# KiCad board MasterController.kicad_pcb (continued)
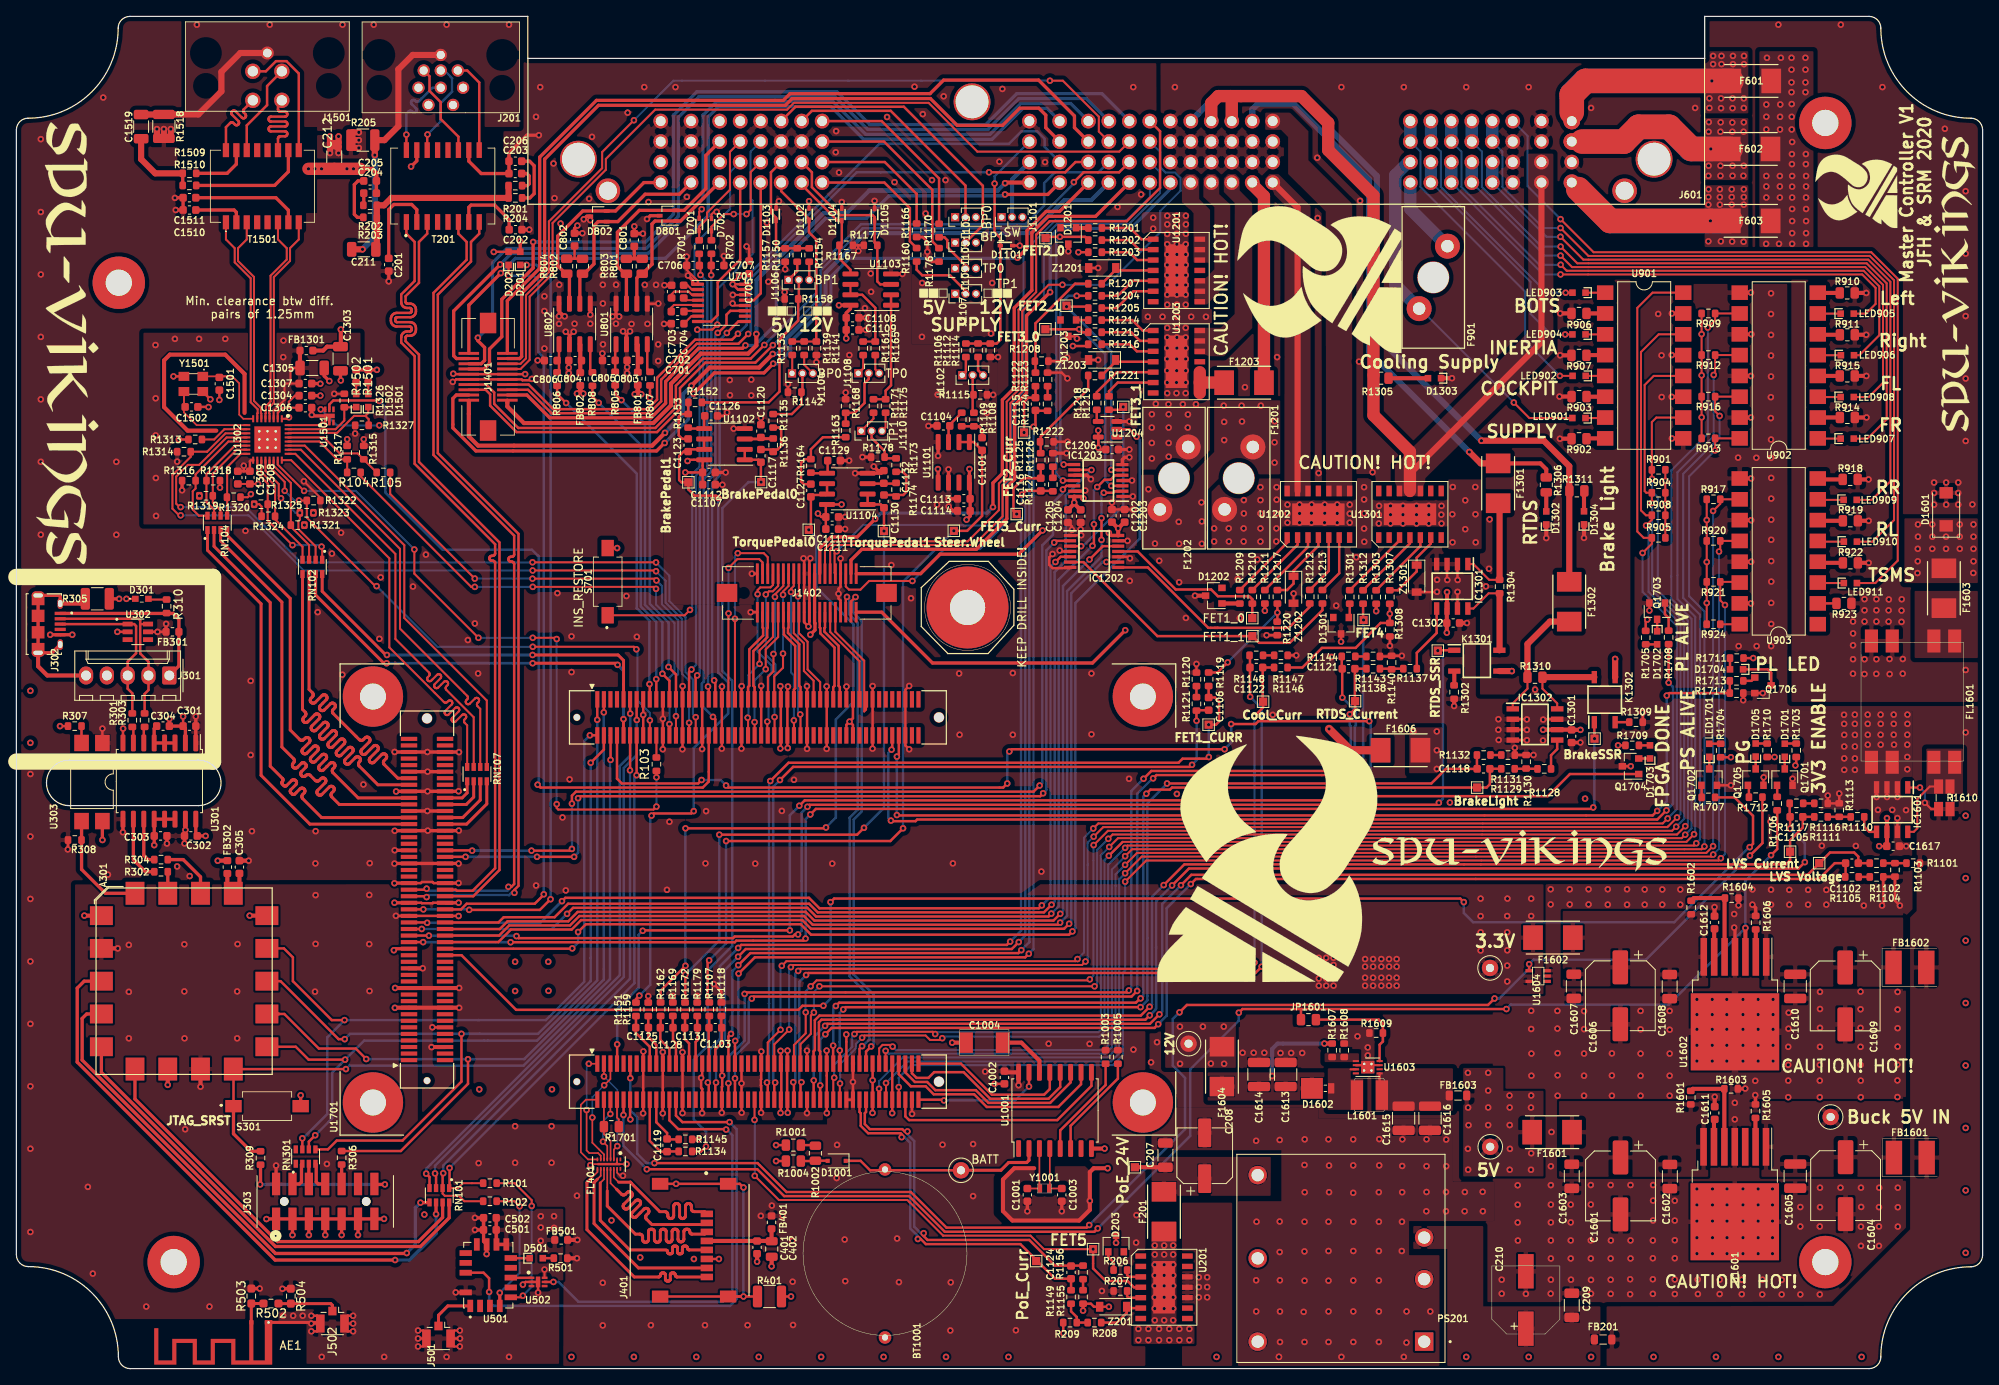
[diagram p0: board, top side]
## Routing (per net, layer and track width the routed paths; a pad name or vN(x,y) marks a point on that pad's centre or on a via; arc(x,y) is an arc through that point) (continued)
/PicoZed/ETH1_TX_EN: length 2.7
  Top w0.25: U1701.JX1.20 78.12,77.25 R103.2
/PicoZed/ETH1_TXD0: length 4.4
  Top w0.36: RN107.1 55.02,70.25 54.41,69.64 U1701.JX3.82
/PicoZed/ETH1_TXD1: length 5.8
  Top w0.36: U1701.JX3.80 54.92,68.84 55.82,69.74 RN107.2
/PicoZed/ETH1_TXD2: length 7.5
  Top w0.36: U1701.JX3.76 54.48,67.24 56.62,69.38 RN107.3
/PicoZed/ETH1_TXD3: length 8.9
  Top w0.36: RN107.4 57.42,68.91 54.95,66.44 U1701.JX3.74
/PicoZed/FPGA_DONE: length 147.6
  Top w0.3: v1(148.28,78.65) 151.26,78.65 151.61,79 v1(165.13,79) ; v1(120.95,71.4) 120.45,70.9 86.88,70.9 v1(86.63,71.15) ; U1701.JX1.8 73.31,71.99 73.9,71.4 83.21,71.4 v1(83.64,71.82) ; v1(165.31,70.15) 165.61,69.85 186.93,69.85 189.62,72.55 Q1704.1 ; v1(121.2,75.3) 121.47,75.58 v1(147.47,75.58)
  Bottom w0.3: v1(121.2,75.3) 120.95,75.05 v1(120.95,71.4) ; v1(165.31,70.15) 165.31,78.82 v1(165.13,79) ; v1(147.47,75.58) 148.28,76.38 v1(148.28,78.65) ; v1(86.63,71.15) 85.95,71.82 v1(83.64,71.82)
/PicoZed/INS_PPS: length 59.9
  Top w0.25: v1(84.81,133.43) C707.1 84.81,136 R702.1
  Top w0.3: U1701.JX1.38 85.31,79.24 v1(85.03,79.53)
  Bottom w0.3: v1(84.81,133.43) 84.81,109.44 83.92,108.55 83.92,83.83 83.67,83.59 83.67,80.88 v1(85.03,79.53)
/PicoZed/INS_SYNC_O: length 55.3
  Top w0.25: R701.1 83.36,136 83.36,134.6 83.5,134.47 v1(83.5,133.45)
  Top w0.3: v1(83.1,84.58) 82.91,84.39 U1701.JX1.31
  Bottom w0.3: v1(83.1,84.58) 83.42,84.9 83.42,108.76 84.31,109.65 84.31,132.64 v1(83.5,133.45)
/PicoZed/INV12_FET_In: length 138.1
  Top w0.3: U1701.JX3.41 49.47,53.64 v1(49.47,53.65) ; v1(131.53,103.03) 131.53,100.58 v1(131.35,100.4) ; IC1203.5 134.12,109.02 133.57,108.47 132.82,108.47 v1(131.93,107.58) ; v1(67.21,55.49) 67.95,56.23 96.55,56.23 97.61,55.17 125.98,55.17 v1(126.32,55.51)
  Bottom w0.3: v1(49.47,53.65) 65.38,53.65 v1(67.21,55.49) ; v1(131.53,103.03) 131.53,107.18 v1(131.93,107.58) ; v1(131.35,100.4) 127.23,96.28 127.23,56.42 v1(126.32,55.51)
/PicoZed/INV34_FET_In: length 133.6
  Top w0.3: v1(132.45,103.78) v1(132.45,101.12) ; IC1203.2 134.11,107.06 133.92,106.88 v1(132.72,106.88) ; v1(127.4,54.42) 127.15,54.17 97.19,54.17 96.14,55.23 68.72,55.23 67.57,54.08 60.15,54.08 58.91,52.84 U1701.JX3.40
  Bottom w0.3: v1(127.4,54.42) 128.25,55.27 128.25,94.88 132.45,99.08 v1(132.45,101.12) ; v1(132.72,106.88) 132.45,106.6 v1(132.45,103.78)
/PicoZed/NVSRAM_HSB: length 28.3
  Top w0.3: U1001.9 131.22,34.5 127.05,30.32 108.96,30.32 108.51,30.78 U1701.JX2.96
/PicoZed/NVSRAM_INT: length 16
  Top w0.3: v1(123.6,34.43) U1001.15 ; U1701.JX2.100 113.13,32.81 v1(113.22,32.72)
  Bottom w0.3: v1(113.22,32.72) 121.9,32.72 v1(123.6,34.43)
/PicoZed/PL_ALIVE: length 126.8
  Top w0.3: U1701.JX1.92 106.91,75.61 v1(106.82,75.53) ; v1(106.74,66.87) 106.81,66.8 109.75,66.8 109.95,67 200.29,67 v1(201.41,68.12) ; R1708.2 v1(201.68,83.7)
  Bottom w0.3: v1(201.68,83.7) 202.2,83.18 202.2,68.91 v1(201.41,68.12) ; v1(106.82,75.53) 106.43,75.13 106.43,67.19 v1(106.74,66.87)
/PicoZed/PL_LED: length 126.7
  Top w0.3: R1713.2 R1714.2 201.75,82.42 v1(201.45,82.12) ; v1(200.28,68.05) 199.73,67.5 107.52,67.5 v1(107.47,67.55) ; v1(107.47,74.68) 107.71,74.91 U1701.JX1.94
  Bottom w0.3: v1(201.45,82.12) 201.45,69.22 v1(200.28,68.05) ; v1(107.47,67.55) v1(107.47,74.68)
/PicoZed/PoE_FET_In: length 63.4
  Top w0.25: v1(90.12,23.52) 93.07,20.57 108.75,20.57 109.03,20.3 109.05,20.3 113.12,16.22 123.78,16.22 125.43,14.57 v1(131.43,14.57) ; U1701.JX2.50 90.1,32.81 v1(90.1,30.35)
  Top w0.3: v1(131.43,14.57) 131.43,12.22 132.96,10.69 135.63,10.69 136.4,9.93 U201.4
  Bottom w0.25: v1(90.1,30.35) 90.12,30.33 v1(90.12,23.52)
/PicoZed/PS_ALIVE: length 189.8
  Top w0.3: v1(98.5,44.28) 95.95,44.28 95.46,43.78 60.99,43.78 54.33,50.44 U1701.JX3.34 ; v1(99.38,56.92) 99.81,57.35 176.25,57.35 v1(176.68,56.93) ; R1707.2 209.72,69.7 211.97,67.45 211.97,64.04 v1(211.57,63.63)
  Bottom w0.3: v1(176.68,56.93) 176.68,55.6 177.81,54.46 202.35,54.46 211.52,63.63 v1(211.57,63.63) ; v1(99.38,56.92) 99.38,45.15 v1(98.5,44.28)
/PicoZed/RTDS_SSR_In: length 162.2
  Top w0.3: v1(96.56,68.56) 96.8,68.8 173.38,68.8 v1(173.63,69.05) ; U1701.JX3.39 50.34,52.84 v1(50.35,52.83) ; v1(95.41,52.98) 95.02,52.98 94.77,52.73 87.68,52.73 87.48,52.53 61.3,52.53 v1(61.05,52.78) ; K1301.1 173.54,87.66 v1(173.5,87.61)
  Bottom w0.3: v1(95.41,52.98) 95.85,53.42 95.85,67.85 v1(96.56,68.56) ; v1(61.05,52.78) 60.99,52.83 v1(50.35,52.83) ; v1(173.63,69.05) 174.13,69.55 174.13,86.98 v1(173.5,87.61)
/PicoZed/SNET_FET_In: length 119.9
  Top w0.3: IC1202.2 126.88,101.01 v1(126.68,100.8) ; v1(68.56,69.6) 68.8,69.84 124.97,69.84 v1(125.32,70.2) ; v1(54.83,62.45) 52.33,62.45 U1701.JX3.64 ; v1(68.08,62.45) v1(63.55,62.45)
  Bottom w0.3: v1(63.55,62.45) v1(54.83,62.45) 61.41,62.45 ; v1(125.32,70.2) 125.73,70.6 125.73,99.85 v1(126.68,100.8) ; v1(68.56,69.6) 68.56,62.94 v1(68.08,62.45)
/PicoZed/SNET_INV34_SEL: length 146
  Top w0.3: U1701.JX3.36 67.81,51.24 v1(67.85,51.28) ; U1204.2 135.83,114.62 v1(136.72,113.72) ; v1(128.9,53.35) 128.5,52.95 97,52.95 95.72,54.23 69.51,54.23 v1(68.56,53.28)
  Bottom w0.3: v1(128.9,53.35) 129.28,53.72 129.28,93.42 137.12,101.27 137.12,113.33 v1(136.72,113.72) ; v1(68.56,53.28) 68.56,51.99 v1(67.85,51.28)
/PicoZed/SPI0_CS0: length 28.8
  Top w0.3: U1701.JX2.93 107.71,35.91 109.18,34.45 110.99,34.45 111.96,33.47 116.9,33.47 118.45,31.92 127.17,31.92 129.95,34.7 U1001.10 129.95,35.12
/PicoZed/TSC_FET_In: length 124.2
  Top w0.3: v1(62.88,63.2) 67.59,63.2 v1(67.81,63.41) ; U1701.JX3.66 55.59,63.24 v1(55.63,63.2) ; v1(67.81,68.94) 67.81,69.91 68.3,70.4 124.15,70.4 v1(124.9,71.15) ; v1(127.73,107.28) 128.17,107.72 129.12,107.72
  Bottom w0.3: v1(127.73,107.28) 127.73,106.87 126.53,105.66 126.53,101.76 125.22,100.46 125.22,71.47 v1(124.9,71.15) ; 61.28,63.2 v1(55.63,63.2) v1(62.88,63.2) ; v1(67.81,63.41) 67.81,63.42 v1(67.81,68.94)
/PicoZed/TSC_INV12_SEL: length 133
  Top w0.3: IC1203.9 131.21,109.67 v1(131.22,109.65) ; v1(126.35,56.6) 125.42,55.67 97.81,55.67 96.76,56.73 67.34,56.73 65.7,55.08 59.48,55.08 58.84,54.44 U1701.JX3.44
  Bottom w0.3: v1(126.35,56.6) 126.73,56.98 126.73,97.2 128.09,98.57 128.09,106.52 131.22,109.65 v1(131.22,109.65)
/PicoZed/UART0_CTS: length 70.1
  Top w0.3: RN101.4 50.42,23.38 v1(50.02,23.79) ; v1(74.92,79.92) 74.91,79.94 U1701.JX1.11
  Bottom w0.3: v1(74.92,79.92) 74.92,74.8 73.64,73.51 73.64,48 50.02,24.38 v1(50.02,23.79)
/PicoZed/UART0_RTS: length 69.9
  Top w0.3: U1701.JX1.13 75.71,79.17 v1(75.72,79.15) ; v1(51.1,23.82) 51.22,23.69 RN101.3
  Bottom w0.3: v1(51.1,23.82) 51.1,24.75 74.14,47.8 74.14,73.31 75.72,74.89 v1(75.72,79.15)
/PicoZed/UART0_RXD: length 70.7
  Top w0.25: RN101.2 52.03,21.35 52.29,21.09 54.01,21.09 54.67,20.43 R102.1
  Top w0.3: RN101.2 52.03,23.77 v1(52.1,23.84) ; U1701.JX1.12 74.91,73.01 v1(74.9,73)
  Bottom w0.3: v1(52.1,23.84) 52.1,24.77 74.9,47.57 v1(74.9,73)
/PicoZed/UART0_TXD: length 69.2
  Top w0.25: R101.1 54.5,22.62 53.9,22.03 RN101.1
  Top w0.3: v1(52.87,24.48) 52.87,22.07 RN101.1 52.85,22.05 ; U1701.JX1.14 75.71,72.41 v1(75.7,72.41)
  Bottom w0.3: v1(52.87,24.48) 75.44,47.05 75.44,72.14 v1(75.7,72.41)
/PicoZed/UART1_RXD: length 48.4
  Top w0.3: U701.9 88.12,127.77 v1(86.72,126.37) ; U1701.JX1.37 85.31,83.84 v1(85.17,83.98)
  Bottom w0.3: v1(86.72,126.37) 85.83,125.48 85.83,108.94 84.92,108.03 84.92,84.23 v1(85.17,83.98)
/PicoZed/UART1_TXD: length 51.1
  Top w0.3: 88.19,129.07 U701.11 87.14,129.07 86.67,128.6 86.67,127.39 85.67,126.39 v1(85.6,126.39) ; U1701.JX1.35 84.51,83.14 v1(84.42,83.22)
  Bottom w0.3: v1(85.6,126.39) 85.33,126.11 85.33,109.23 85.02,108.93 85.02,108.92 84.42,108.32 v1(84.42,83.22)
/PicoZed/XADC_AUX0_N: length 6.2
  Top w0.3: R1159.1 77.12,41.63 C1125.2 77.15,40.45 78.11,39.49 U1701.JX2.19
/PicoZed/XADC_AUX0_P: length 6.5
  Top w0.3: U1701.JX2.17 77.31,39.26 75.6,40.97 C1125.1 75.62,41.63 R1151.1
/PicoZed/XADC_AUX1_N: length 6
  Top w0.3: R1169.1 80.12,41.62 C1128.2 80.15,40.07 80.51,39.72 U1701.JX2.25
/PicoZed/XADC_AUX1_P: length 6.3
  Top w0.3: R1162.1 78.64,41.63 C1128.1 78.6,40.12 79.71,39.01 U1701.JX2.23
/PicoZed/XADC_AUX2_N: length 112.7
  Top w0.3: v1(122.35,52.05) 121.5,51.2 89.03,51.2 v1(88.09,50.26) ; U1701.JX2.38 85.31,34.82 v1(85.4,34.91) ; v1(122.75,106.65) 123.2,107.1 C1116.2 126.46,107.1 R1127.1
  Bottom w0.3: v1(88.09,50.26) 86.48,48.65 86.48,40.06 85.4,38.99 v1(85.4,34.91) ; v1(122.75,106.65) 122.75,105.92 123.15,105.53 123.15,52.85 v1(122.35,52.05)
/PicoZed/XADC_AUX2_P: length 115.9
  Top w0.3: v1(84.4,34.91) 84.51,34.79 U1701.JX2.36 ; R1125.1 C1116.1 ; C1116.1 124.22,108.65 ; C1116.1 122.96,108.65 121.7,107.39 121.7,104.67 v1(122.1,104.28) ; v1(88.1,51.33) 88.47,51.7 120.9,51.7 v1(121.3,52.1)
  Bottom w0.3: v1(88.1,51.33) 85.88,49.11 85.88,40.17 84.65,38.94 84.65,35.16 v1(84.4,34.91) ; v1(121.3,52.1) 122.62,53.43 122.62,103.75 v1(122.1,104.28)
/PicoZed/XADC_AUX3_N: length 6.2
  Top w0.3: 86.06,41.6 86.09,41.58 ; 86.09,41.58 86.05,41.62 86.05,43 ; 86.09,41.58 86.09,39.74 85.31,38.96 U1701.JX2.37
/PicoZed/XADC_AUX3_P: length 5.8
  Top w0.3: 84.56,41.6 84.54,41.58 ; 84.54,41.58 84.51,41.55 U1701.JX2.35 ; 84.54,41.58 84.58,41.62 84.58,43
/PicoZed/XADC_AUX4_N: length 98.9
  Top w0.3: v1(93.2,71.82) 94.81,73.43 143.25,73.43 v1(143.5,73.68) ; v1(92.62,34.91) 92.51,34.8 U1701.JX2.56 ; C1106.2 144.09,80.34 R1121.1 144.04,79.06 v1(144.05,79.05)
  Bottom w0.3: v1(92.62,34.91) 92.37,35.16 92.37,39.51 92.37,70.98 v1(93.2,71.82) ; v1(144.05,79.05) 144.05,74.23 v1(143.5,73.68)
/PicoZed/XADC_AUX4_P: length 104.5
  Top w0.3: U1701.JX2.54 91.71,34.81 v1(91.62,34.91) ; v1(92.03,71.7) 94.25,73.93 141.85,73.93 142.35,74.43 145.35,74.43 v1(145.55,74.62) ; v1(145.53,78.58) 146.43,78.58 146.8,78.95 146.8,81.38 146.28,81.89 C1106.1 R1119.1
  Bottom w0.3: v1(145.53,78.58) 145.55,78.55 v1(145.55,74.62) ; v1(91.62,34.91) 91.87,35.16 91.87,71.54 v1(92.03,71.7)
/PicoZed/XADC_AUX5_N: length 151.2
  Top w0.3: 223.22,60 223.28,60.05 C1102.2 ; C1102.2 222.93,61.67 ; C1102.2 221.95,61.67 220.03,59.75 143.97,59.75 v1(143.35,59.12) ; v1(98.12,34.56) 98.11,34.55 U1701.JX2.70 ; v1(98.74,40.79) 99.52,41.57 100.54,41.57 100.54,41.57 138.93,41.57 v1(139.38,42.03)
  Bottom w0.3: v1(98.12,34.56) 98.12,40.17 v1(98.74,40.79) ; v1(139.38,42.03) 140.4,43.05 140.4,56.18 v1(143.35,59.12)
/PicoZed/XADC_AUX5_P: length 154.6
  Top w0.3: 226.22,61.67 224.82,61.67 224.82,62.47 224.32,62.97 221.38,62.97 218.65,60.25 143.41,60.25 v1(142.15,58.98) ; U1701.JX2.68 97.31,35.16 v1(97.32,35.17) ; v1(98.71,41.82) 98.96,42.07 100.34,42.07 100.34,42.07 138.36,42.07 v1(139.52,43.23)
  Bottom w0.3: v1(142.15,58.98) 139.87,56.7 139.87,43.58 v1(139.52,43.23) ; v1(97.32,35.17) 97.32,40.44 v1(98.71,41.82)
/PicoZed/XADC_AUX6_N: length 112.5
  Top w0.3: v1(140.45,71.4) 172.71,71.4 174.49,73.17 178.29,73.17 C1118.2 178.28,73.22 R1132.1 ; v1(137.21,44.11) 101.21,44.11 v1(100.93,43.82) ; 100.5,37.22 U1701.JX2.75 100.51,38.81 v1(100.5,38.82)
  Bottom w0.3: 100.5,39.85 100.5,43.4 v1(100.93,43.82) ; 100.5,39.85 100.5,40.23 ; 100.5,39.85 100.5,39.84 v1(100.5,38.82) ; v1(137.21,44.11) 138.06,44.95 138.06,68.98 140.45,71.38 v1(140.45,71.4)
/PicoZed/XADC_AUX6_P: length 116
  Top w0.3: v1(100.03,44.25) 100.42,44.65 136.65,44.65 137.17,45.17 ; v1(99.69,39.42) 99.69,37.23 U1701.JX2.73 ; v1(137.93,70.15) 138.43,70.65 140.81,70.65 141.06,70.9 TP1107.1 179.45,70.9 179.85,71.31 C1118.1 R1129.1
  Bottom w0.3: 99.8,44.02 v1(100.03,44.25) 99.71,43.94 99.71,39.43 v1(99.69,39.42) ; v1(137.22,45.17) 137.55,45.5 137.55,69.78 v1(137.93,70.15)
/PicoZed/XADC_AUX7_N: length 43.4
  Top w0.3: 128.78,12.56 C1124.2 ; v1(110.74,16.52) 110.74,16.17 111.21,15.7 123.63,15.7 126.76,12.56 R1156.1 ; v1(108.76,28.94) 108.41,28.94 108.13,29.22 104.17,29.22 103.56,29.83 103.56,31.16 103.71,31.31 U1701.JX2.84
  Bottom w0.3: v1(110.74,16.52) 110.39,16.52 109.6,17.31 109.6,27.75 108.76,28.59 v1(108.76,28.94)
/PicoZed/XADC_AUX7_P: length 44.6
  Top w0.3: R1149.1 C1124.1 126.77,10.97 122.55,15.19 111.02,15.19 110.39,15.82 v1(110.04,15.82) ; v1(108.06,28.24) 108.06,28.59 107.93,28.72 103.97,28.72 103.06,29.63 103.06,31.16 102.91,31.31 U1701.JX2.82
  Bottom w0.3: v1(108.06,28.24) 108.41,28.24 109.1,27.55 109.1,17.11 110.04,16.17 v1(110.04,15.82)
/PicoZed/XADC_AUX8_N: length 6.8
  Top w0.3: U1701.JX2.20 78.11,30.06 79.42,28.75 C1119.2 79.47,27.97 R1145.1
/PicoZed/XADC_AUX8_P: length 9.1
  Top w0.3: U1701.JX2.18 77.31,27.79 78.62,26.47 C1119.1 79.45,26.5 R1134.1
/PicoZed/XADC_AUX9_N: length 5.9
  Top w0.3: R1179.1 83.11,41.62 C1131.2 83.13,40.08 82.91,39.86 U1701.JX2.31
/PicoZed/XADC_AUX9_P: length 6.1
  Top w0.3: 81.61,41.65 81.58,41.62 ; R1172.1 81.61,41.63 C1131.1 81.58,40.22 82.11,39.69 U1701.JX2.29
/PicoZed/XADC_AUX10_N: length 116.3
  Top w0.3: U1701.JX2.43 87.71,39.96 v1(87.74,39.99) ; v1(123.57,50.62) 123.14,50.19 90.14,50.19 v1(88.15,48.2) ; v1(124.15,114.92) 124.39,115.16 C1115.2 124.44,116.88 R1124.1
  Bottom w0.3: 88.14,40.39 v1(87.74,39.99) 88.14,40.39 ; 88.14,40.39 88.14,48.19 v1(88.15,48.2) ; v1(123.57,50.62) 124.15,51.2 v1(124.15,114.92)
/PicoZed/XADC_AUX10_P: length 118.4
  Top w0.3: v1(123,114.22) 123,117.95 123.53,118.47 C1115.1 R1122.1 ; U1701.JX2.41 86.91,40.53 v1(87.23,40.85) ; v1(122.66,51.06) 122.3,50.7 89.59,50.7 v1(88.12,49.23)
  Bottom w0.3: v1(122.66,51.06) 123.65,52.05 123.65,113.58 v1(123,114.22) ; v1(88.12,49.23) 87.4,48.51 87.4,41.02 v1(87.23,40.85)
/PicoZed/XADC_AUX11_N: length 126.3
  Top w0.3: v1(161.85,81.88) 161.83,81.89 C1121.2 161.78,85.45 R1144.1 ; v1(89.76,45.15) 90.01,45.4 136.11,45.4 v1(136.8,46.09) ; U1701.JX2.44 87.71,35.4 v1(87.72,35.41) ; v1(138.75,72.03) 139.15,72.42 161.42,72.42 v1(161.72,72.72)
  Bottom w0.3: v1(138.75,72.03) 138.69,72.03 136.8,70.14 v1(136.8,46.09) ; v1(161.72,72.72) 163.38,74.38 163.38,78.37 163.5,78.5 163.5,80.22 v1(161.85,81.88) ; v1(89.76,45.15) 89.39,44.78 89.39,39.83 87.72,38.15 v1(87.72,35.41)
/PicoZed/XADC_AUX11_P: length 125.9
  Top w0.3: U1701.JX2.42 v1(86.91,34.82) ; 164.78,85.41 163.38,85.41 C1121.1 163.38,81.47 TP1109.1 163.4,80.49 v1(162.75,79.84) ; v1(88.89,45.72) 89.06,45.9 135.59,45.9 135.79,46.1 v1(135.79,46.15) ; v1(137.58,71.98) 138.53,72.93 160.54,72.93 v1(160.79,73.17)
  Bottom w0.3: v1(135.79,46.15) 136.09,46.45 136.09,70.48 v1(137.58,71.98) ; v1(86.91,34.82) 86.92,34.83 86.92,38.07 88.89,40.03 v1(88.89,45.72) ; v1(162.75,79.84) 162.75,78.5 162.88,78.37 162.88,75.26 v1(160.79,73.17)
/PicoZed/XADC_AUX12_N: length 110.3
  Top w0.3: v1(95.83,34.95) 95.71,34.84 U1701.JX2.64 ; v1(152,49.05) 151.22,48.27 96.64,48.27 v1(96.39,48.02) ; v1(150.6,81.97) 150.57,82 C1122.2 150.57,86.97 R1148.1
  Bottom w0.3: v1(96.39,48.02) 95.58,47.21 95.58,35.2 v1(95.83,34.95) ; v1(152,49.05) 152,80.58 v1(150.6,81.97)
/PicoZed/XADC_AUX12_P: length 110
  Top w0.3: v1(151.12,79.62) 152.18,80.67 TP1110.1 152.12,81.42 C1122.1 R1146.1 ; v1(94.83,34.95) 94.91,34.87 U1701.JX2.62 ; v1(151.12,49.55) 150.35,48.77 95.68,48.77 v1(95.43,48.52)
  Bottom w0.3: v1(94.83,34.95) 95.08,35.2 95.08,48.17 v1(95.43,48.52) ; v1(151.12,79.62) v1(151.12,49.55)
/PicoZed/XADC_AUX13_N: length 149.2
  Top w0.3: R1117.1 216.45,67.38 C1105.2 v1(216.5,65.9) ; v1(218.3,61.8) 217.53,61.03 143.13,61.03 v1(141.07,58.96) ; U1701.JX2.69 98.11,38.72 97.96,38.87 97.96,42.26 98.27,42.57 100.13,42.57 100.13,42.57 137.8,42.57 v1(138.34,43.11)
  Bottom w0.3: v1(216.5,65.9) 218.3,64.1 v1(218.3,61.8) ; v1(138.34,43.11) 139.12,43.89 139.12,57.01 v1(141.07,58.96)
/PicoZed/XADC_AUX13_P: length 147.5
  Top w0.3: v1(138.32,44.15) 137.24,43.07 98.03,43.07 97.46,42.51 97.46,38.87 97.31,38.72 U1701.JX2.67 ; C1105.1 218.05,66.03 216.5,64.47 TP1103.1 216.5,62.05 215.98,61.53 142.57,61.53 v1(140.04,59) ; C1105.1 218.03,67.3 ; C1105.1 R1111.1
  Bottom w0.3: v1(140.04,59) 138.62,57.57 138.62,44.45 v1(138.32,44.15)
/PicoZed/~{SC_BOTS}: length 209.1
  Top w0.25: v1(93.27,41.35) 91.71,39.79 U1701.JX2.53 ; 203.46,131.29 199.72,131.29 197.85,129.42 197.85,102.15 198.62,101.38 R905.2 199.62,100.65 v1(198.5,99.53) ; v1(129.52,49.97) 129.26,49.71 93.99,49.71 v1(93.42,49.15) ; v1(201.56,67.13) 200.95,66.53 132.06,66.53 v1(131.45,65.91)
  Bottom w0.25: v1(201.56,67.13) 202.67,68.25 202.67,90.59 198.5,94.77 v1(198.5,99.53) ; v1(93.27,41.35) 93.27,49 v1(93.42,49.15) ; v1(129.52,49.97) 130.32,50.77 130.32,64.78 v1(131.45,65.91)
/PicoZed/~{SC_Cockpit}: length 195.2
  Top w0.25: v1(202.6,66.12) 202.1,65.63 133.23,65.63 v1(131.49,63.88) ; v1(131.03,47.5) 130.9,47.38 97.68,47.38 v1(96.95,46.65) ; v1(96.34,43.48) 96.34,40.92 94.91,39.49 U1701.JX2.61 ; v1(199.62,105.62) R904.2 198.95,106.88 198.75,107.08 198.75,120.03 199.85,121.13 203.46,121.13
  Bottom w0.25: v1(131.49,63.88) 131.46,63.85 131.46,47.94 v1(131.03,47.5) ; v1(96.95,46.65) 96.34,46.04 v1(96.34,43.48) ; v1(199.62,105.62) 199.68,105.58 199.68,94.99 203.57,91.09 203.57,67.1 v1(202.6,66.12)
/PicoZed/~{SC_FL}: length 186
  Top w0.25: v1(135.33,63.54) 135.61,63.83 204.78,63.83 v1(205.05,64.1) ; U1701.JX2.87 105.31,39.08 105.73,39.5 106.75,39.5 v1(106.95,39.29) ; U902.14 210.34,118.6 R916.2 207.35,116.8 v1(207.9,116.25)
  Bottom w0.25: v1(205.05,64.1) 205.5,64.55 205.5,92 203.45,94.05 203.45,109.17 207.9,113.62 v1(207.9,116.25) ; v1(135.33,63.54) 133.26,61.47 133.26,39.44 133.27,39.44 132.7,38.88 107.37,38.88 v1(106.95,39.29)
/PicoZed/~{SC_FR}: length 179.7
  Top w0.25: U902.16 R913.2 207.35,112.05 v1(207.34,112.04) ; v1(206.04,63.72) 205.7,63.38 136.19,63.38 v1(135.34,62.52) ; U1701.JX2.89 106.1,37.22 v1(106.1,38.78)
  Bottom w0.25: v1(106.1,38.78) 106.45,38.43 132.9,38.43 133.72,39.24 133.72,58.59 133.71,58.6 133.71,60.9 v1(135.34,62.52) ; v1(206.04,63.72) 206.04,92.39 204.18,94.25 204.18,108.87 v1(207.34,112.04)
/PicoZed/~{SC_Inertia}: length 202.9
  Top w0.25: 203.46,126.21 200.46,126.21 198.3,124.05 198.3,104.73 198.9,104.12 R908.2 199.62,103.58 v1(198.93,102.88) ; v1(94.54,48.99) 94.8,49.25 130.07,49.25 v1(130.5,49.68) ; v1(94.33,41.38) 92.51,39.56 U1701.JX2.55 ; v1(202.7,67.25) 201.52,66.08 132.66,66.08 v1(131.49,64.91)
  Bottom w0.25: 199.03,102.78 v1(198.93,102.88) 199.22,102.58 199.22,94.78 203.12,90.88 203.12,67.68 v1(202.7,67.25) ; v1(131.49,64.91) 130.77,64.18 130.77,49.94 v1(130.5,49.68) ; v1(94.54,48.99) 94.33,48.77 v1(94.33,41.38)
/PicoZed/~{SC_Left}: length 203.4
  Top w0.25: U902.10 R909.2 207.35,127.92 v1(206.45,127.03) ; v1(112.15,40.82) 111.88,41.1 102.57,41.1 v1(102.3,40.82) ; v1(99.83,35.5) 99.71,35.38 U1701.JX2.74 ; v1(133.39,63.66) 134.46,64.73 203.27,64.73 v1(203.7,65.15)
  Bottom w0.25: v1(99.83,35.5) 99.82,35.5 99.82,37.07 102.03,39.28 102.03,40.55 v1(102.3,40.82) ; v1(203.7,65.15) 204.47,65.93 204.47,91.48 202,93.95 202,109.6 206.45,114.05 v1(206.45,127.03) ; v1(133.39,63.66) 132.36,62.63 132.36,41.34 132.07,41.05 112.38,41.05 v1(112.15,40.82)
/PL_1N: length 11.4
  Top w0.3: U1701.JX1.49 90.11,83.17 89.96,83.32 89.96,87.56 91.64,89.24 91.64,90.36 91.71,90.42 J1402.5
/PL_1P: length 11.4
  Top w0.3: J1402.3 91.08,90.42 91.14,90.36 91.14,89.45 89.46,87.76 89.46,83.32 89.31,83.17 U1701.JX1.47
/PL_2: length 16.5
  Top w0.25: v1(90.71,86) 90.71,87.63 92.35,89.27 J1402.7 ; U1701.JX1.48 89.31,79.38 v1(89.26,79.42)
  Bottom w0.25: 89.26,79.64 v1(89.26,79.42) 89.35,79.52 89.35,84.64 v1(90.71,86)
/PL_3: length 16.2
  Top w0.25: 92.98,92.3 92.98,89.27 91.47,87.75 v1(91.47,85.35) ; U1701.JX1.50 90.11,77.27 v1(90.11,78.89)
  Bottom w0.25: v1(91.47,85.35) 90.11,83.99 v1(90.11,78.89)
/PL_4N: length 11.3
  Top w0.3: U1701.JX1.63 95.71,83.17 95.56,83.32 95.56,88.39 94.18,89.77 94.18,90.36 94.25,90.42 J1402.13
/PL_4P: length 11.3
  Top w0.3: J1402.11 93.62,90.42 93.68,90.36 93.68,89.56 95.06,88.19 95.06,83 94.91,82.85 U1701.JX1.61
/PL_5: length 11.6
  Top w0.25: J1402.15 94.89,89.74 96.12,88.5 96.12,85.12 97.31,83.94 U1701.JX1.67
/PL_6: length 11.7
  Top w0.25: J1402.17 95.52,89.74 96.58,88.69 96.58,85.31 98.11,83.78 U1701.JX1.69
/PL_7N: length 11.4
  Top w0.3: J1402.27 98.7,90.42 98.63,90.36 98.63,89.92 100.36,88.19 100.36,83.32 100.51,83.17 U1701.JX1.75
/PL_7P: length 11.4
  Top w0.3: J1402.25 98.06,90.42 98.13,90.36 98.13,89.72 99.86,87.99 99.86,83.32 99.71,83.17 U1701.JX1.73
/PL_8: length 12.1
  Top w0.25: U1701.JX1.81 102.91,86.32 99.33,89.89 J1402.29
/PL_9: length 15.1
  Top w0.25: J1402.31 99.97,89.89 103.49,86.38 103.49,80.19 103.71,80.42 U1701.JX1.83
/PL_10N: length 61.3
  Top w0.3: J1402.37 101.87,93.6 v1(102.43,94.15) ; v1(104.34,39.31) 103.71,38.68 U1701.JX2.83
  Bottom w0.3: v1(104.34,39.31) 104.62,39.6 104.62,45.65 102.2,48.08 102.2,67 103.18,67.97 103.18,91.23 102.16,92.24 102.16,93.89 v1(102.43,94.15)
/PL_10P: length 61.4
  Top w0.3: U1701.JX2.81 102.91,39.03 v1(103.23,39.35) ; v1(101.38,94.17) 101.24,94.02 J1402.35
  Bottom w0.3: v1(101.38,94.17) 101.66,93.89 101.66,92.03 102.68,91.02 102.68,68.18 101.7,67.2 101.7,47.87 104.12,45.45 104.12,40.16 103.31,39.35 v1(103.23,39.35)
/PL_11: length 22.2
  Top w0.25: U1701.JX1.41 86.91,92.14 v1(86.92,92.15) ; v1(86.92,97.7) 88,98.78 90.67,98.78 91.08,98.37 J1402.4
  Bottom w0.25: v1(86.92,92.15) v1(86.92,97.7)
/PL_12: length 23.9
  Top w0.25: U1701.JX1.43 v1(87.71,91.5) ; J1402.6 91.71,99.01 91.22,99.5 v1(88.05,99.5)
  Bottom w0.25: v1(88.05,99.5) 87.71,99.16 v1(87.71,91.5)
/PL_13: length 22.2
  Top w0.25: J1402.8 92.35,95.62 92.05,95.33 90.8,95.33 90.47,95 v1(90.47,94.5) ; U1701.JX1.54 91.66,77.31 v1(91.66,78.95)
  Bottom w0.25: v1(90.47,94.5) 90.47,87.47 92.19,85.76 92.19,85 91.82,84.62 91.82,79.11 v1(91.66,78.95)
/PL_14: length 21.2
  Top w0.25: v1(92.54,79.5) 92.54,77.3 U1701.JX1.56 ; v1(91.47,94.46) 91.86,94.85 92.33,94.85 92.98,95.5 92.98,97
  Bottom w0.25: v1(91.47,94.46) 91.47,87.11 92.65,85.94 92.65,84.95 92.64,84.94 92.64,84.81 92.52,84.7 92.52,79.52 v1(92.54,79.5)
/PL_15: length 16.1
  Top w0.25: v1(92.59,94.17) 92.59,94.47 93.62,95.5 J1402.12 ; U1701.JX1.53 91.72,81.68 91.72,84.4 92.41,85.08 v1(92.41,87.21)
  Bottom w0.25: v1(92.59,94.17) 92.59,87.39 v1(92.41,87.21)
/PL_16: length 16.1
  Top w0.25: J1402.14 94.25,95.5 93.58,94.82 v1(93.58,94.43) ; v1(93.58,87.25) 93.58,85.53 92.5,84.45 92.5,81.67 U1701.JX1.55
  Bottom w0.25: v1(93.58,94.43) 93.58,87.25 v1(93.58,87.25)
/PL_17: length 20
  Top w0.25: v1(94.55,94.77) 94.55,95.16 94.89,95.49 J1402.16 ; U1701.JX1.62 94.91,79.09 v1(94.9,79.1)
  Bottom w0.25: v1(94.55,94.77) 94.55,84.95 94.9,84.6 v1(94.9,79.1)
/PL_18: length 19.9
  Top w0.25: U1701.JX1.64 95.71,79.79 v1(95.67,79.83) ; v1(95.41,94.22) 95.52,94.34 J1402.18
  Bottom w0.25: v1(95.67,79.83) 95.41,80.09 v1(95.41,94.22)
/PoE_V: length 3.9
  Top w0.3: 130.75,5.63 130.76,5.62 R209.1 129.43,6.29 128.74,6.99 R1149.2
/PowerDistribution/DashAMSC_V: length 13.6
  Top w0.3: R1217.2 v1(153.92,92.25) 153.92,91.16 R1220.1 ; v1(147.85,86.17) 146.62,84.94 R1119.2
  Bottom w0.3: v1(153.92,92.25) 147.85,86.18 v1(147.85,86.17)
/PowerDistribution/FET1DSEL: length 28.3
  Top w0.3: 146.64,90.39 146.29,90.39 ; 146.64,90.39 145.48,90.39 138.11,97.76 IC1202.8 ; 146.64,90.39 155.3,90.39 157.87,92.96 R1212.2 157.85,93.34
/PowerDistribution/FET1IN0: length 21.4
  Top w0.3: TP1203.1 150.85,93.34 R1210.2 150.86,93.86 ; IC1202.11 136.87,99.71 141.52,95.07 145.84,95.07 146.66,94.25 150.48,94.25 150.86,93.86 ; 150.86,93.86 150.63,94.09
/PowerDistribution/FET1IN1: length 37.3
  Top w0.3: IC1202.6 130.24,98.41 139.27,89.38 TP1204.1 151.68,88.56 155.43,88.56 159.42,92.55 R1213.2
/PowerDistribution/FET2DSEL: length 24.9
  Top w0.3: R1204.2 v1(129.43,130.9) ; IC1203.8 v1(127.84,110.31)
  Bottom w0.3: v1(129.43,130.9) 128.39,130.9 127.44,129.95 127.44,110.72 v1(127.84,110.31)
/PowerDistribution/FET2IN0: length 37.5
  Top w0.3: IC1203.11 v1(127.74,108.36) ; TP1201.1 125.77,138.1 v1(127.38,138.1) 130.44,138.1 R1202.2 130.53,138.01
  Bottom w0.3: v1(127.74,108.36) 126.93,109.17 126.93,137.66 v1(127.38,138.1)
/PowerDistribution/FET2IN1: length 26.3
  Top w0.3: v1(128.19,129.59) 130.66,129.59 R1205.2 ; IC1203.6 v1(133.66,109.67)
  Bottom w0.3: v1(128.19,129.59) 133.66,124.12 v1(133.66,109.67)
/PowerDistribution/FET3DSEL: length 1.5
  Top w0.3: 131.87,117 131.87,115.75 U1204.4
/PowerDistribution/FET3IN0: length 27.6
  Top w0.3: R1215.2 130.09,126.46 v1(129.72,126.83) TP1205.1 ; 135,107.72 v1(133.65,107.72)
  Bottom w0.3: v1(129.72,126.83) 129.88,126.83 132.9,123.8 132.9,108.46 v1(133.65,107.72)
/PowerDistribution/FET3IN1: length 22.5
  Top w0.3: IC1202.3 v1(129.96,100.36) ; v1(135.1,117.35) 134.75,117 133.36,117
  Bottom w0.3: v1(129.96,100.36) 130.17,100.36 135.1,105.29 v1(135.1,117.35)
/PowerDistribution/NetINV34C_V: length 11.9
  Top w0.3: 124.93,113.12 R1222.1 ; R1125.2 125.03,113.73 130.82,119.53 130.82,121.18
/PowerDistribution/SNet_V_Out: length 25
  Top w1.5: 150.85,144.72 150.85,144.49 152.28,143.06 F1203.2
/PowerDistribution/TSCINV12C_V: length 14.5
  Top w0.3: R1207.2 129.22,132.38 124.39,127.55 124.39,121.53
/PowerSupply/Boost_12V_in: length 2.8
  Top w0.3: L1601.1 166.4,33.65 U1603.5
/PowerSupply/Boost_12V_out: length 10.9
  Top w0.5: R1607.1 v1(159.66,39.66)
  Bottom w0.5: v1(159.66,39.66) 153.94,39.66 153.28,39 v1(153.28,35.7)